# Altium PCB DeutschPCB.PcbDoc (part 2 of 2)
Units mil, origin at the board's own origin, x right, y up, seen from the top; angles counter-clockwise.
Board outline 3250 x 3998.62 mil, 2 copper layers (Top Layer, Bottom Layer), stack 61.8 mil thick; 308 components, 195 nets, 864 pads, 15 vias.
Unrouted connection lines stored in the file: 527.
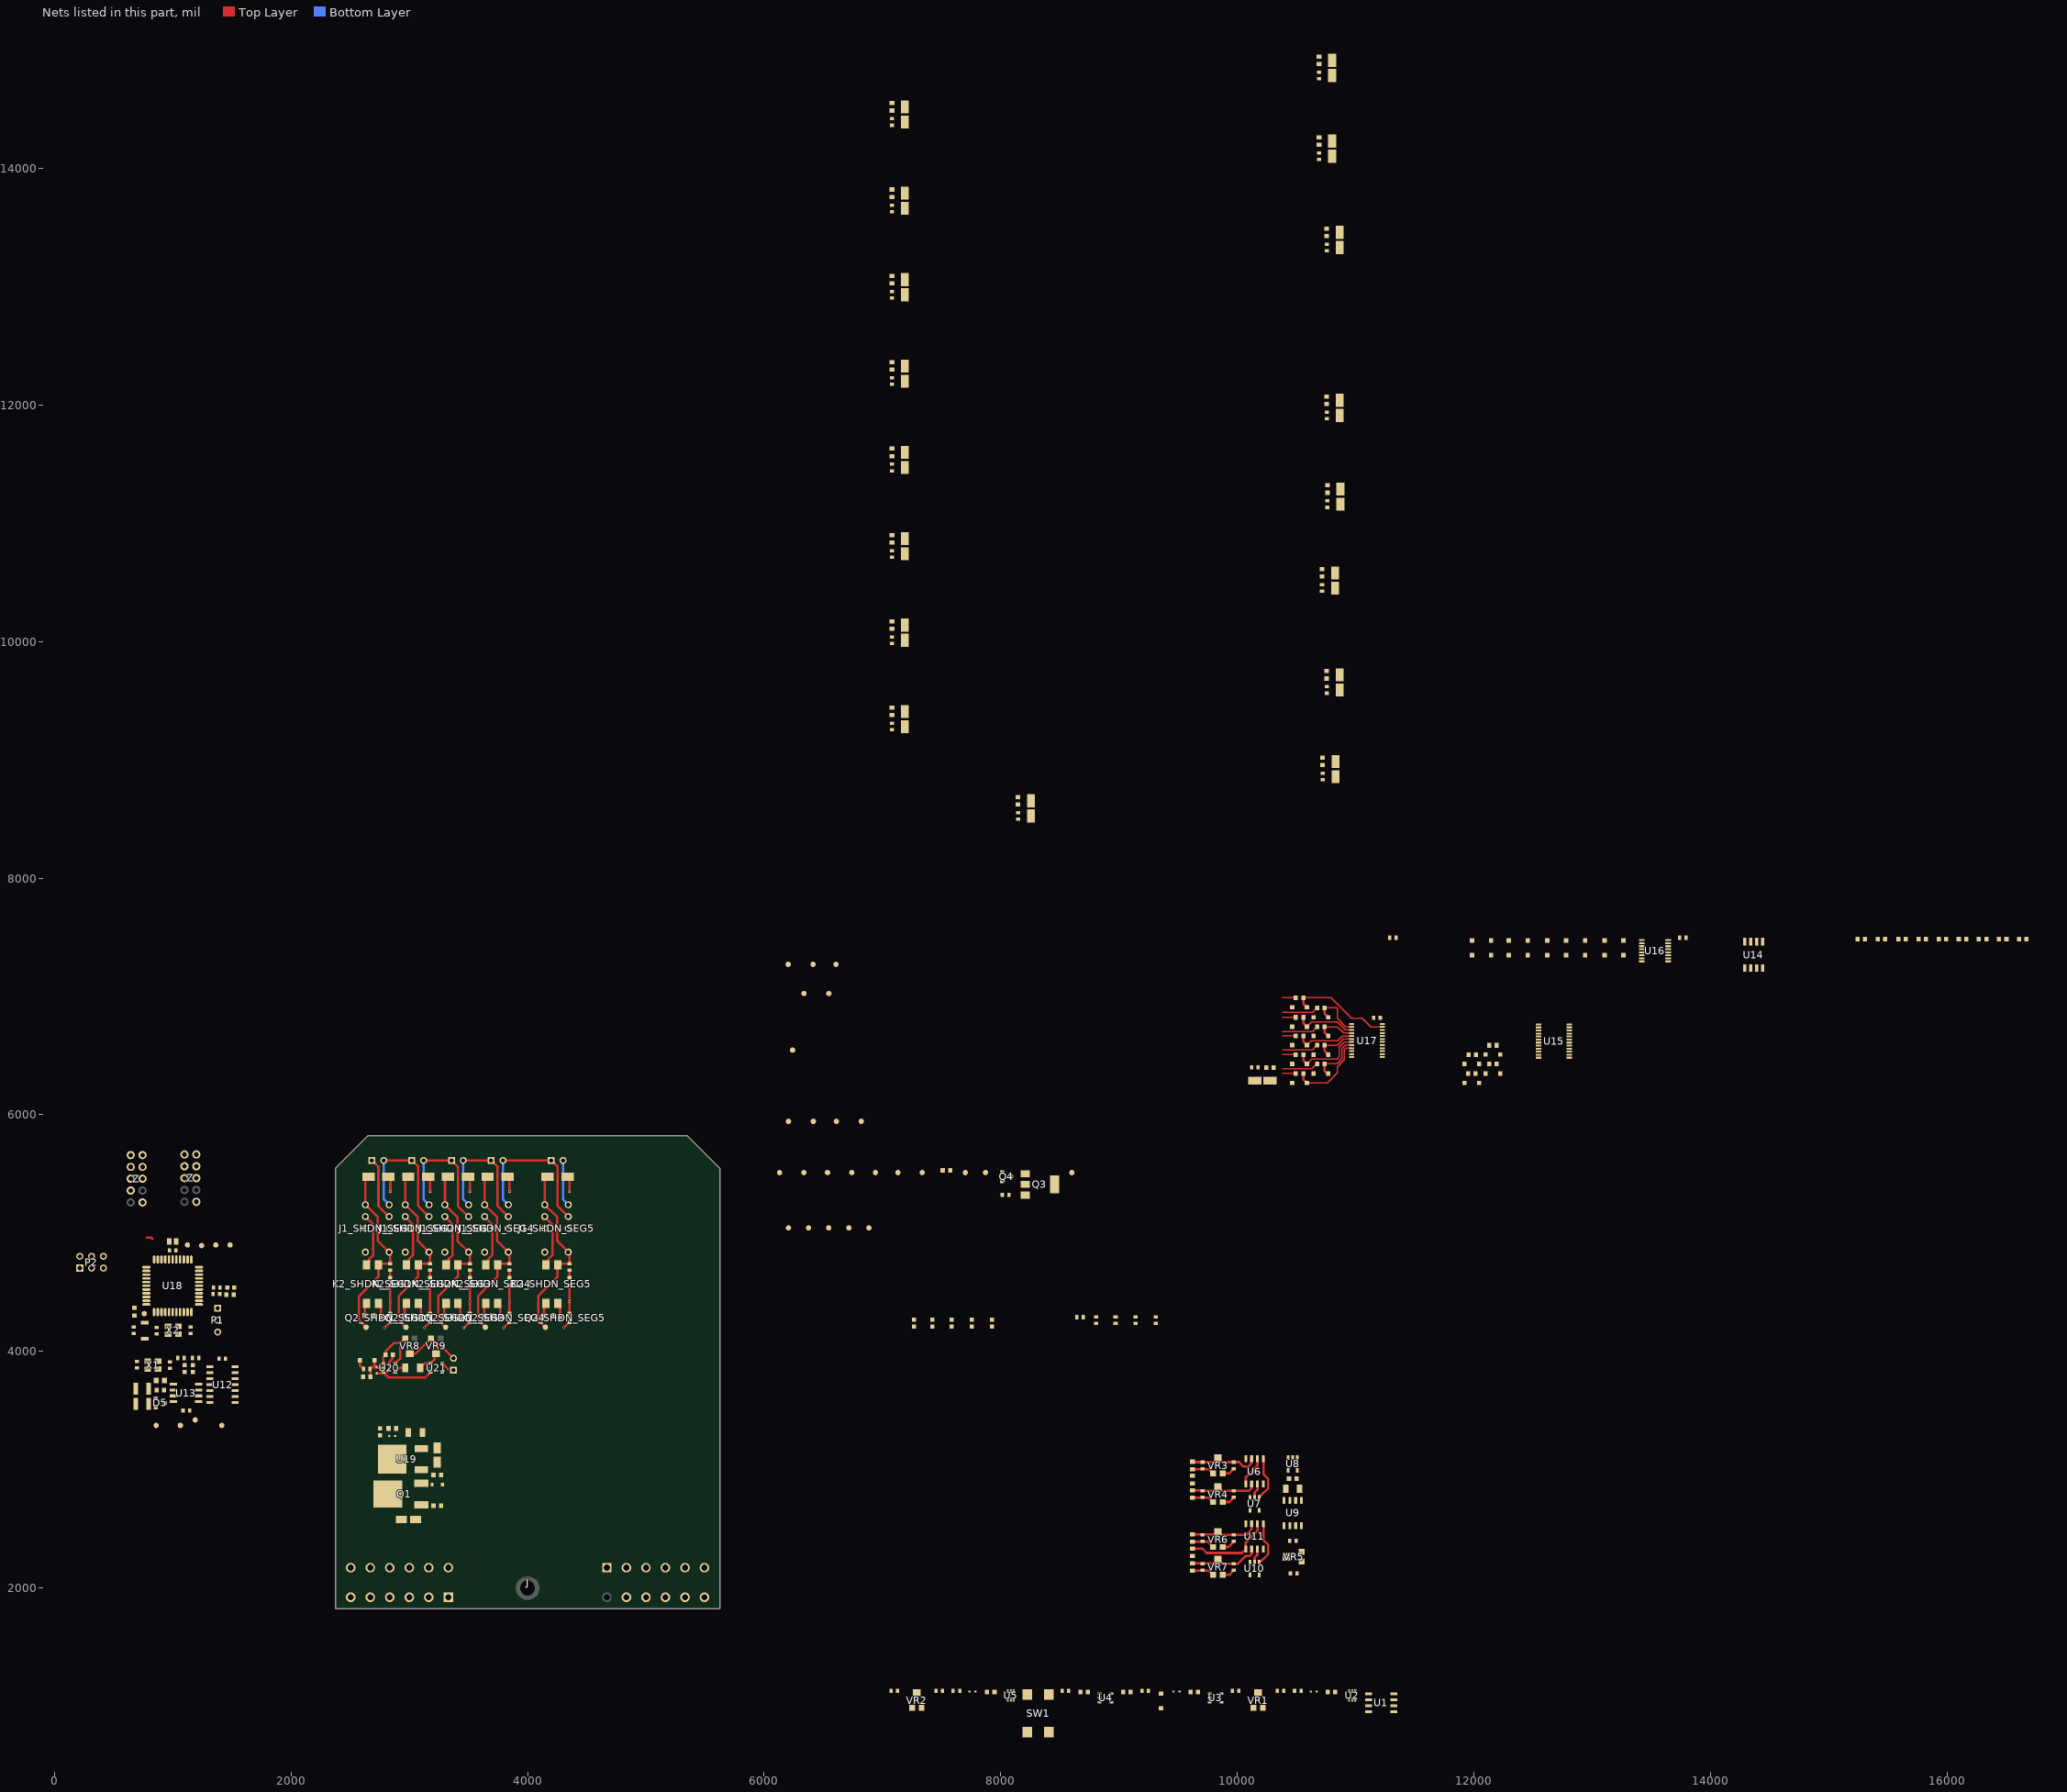
[diagram p2: the nets of this part, all layers, seen from the top]

## Part data
C1 C2 C3 C4 C5 C6 C8 C9 C10 C11 C13 C14 C17 C18 C19 C20 C21 C24 C27 C28_SHDN_INPUT_PROTECTION1 C28_SHDN_INPUT_PROTECTION2 C28_SHDN_INPUT_PROTECTION3 C28_SHDN_INPUT_PROTECTION4 C28_SHDN_INPUT_PROTECTION5 C28_SHDN_INPUT_PROTECTION6 C28_SHDN_INPUT_PROTECTION7 C28_SHDN_INPUT_PROTECTION8 C28_SHDN_INPUT_PROTECTION9 C28_SHDN_INPUT_PROTECTION10 C28_SHDN_INPUT_PROTECTION11 C28_SHDN_INPUT_PROTECTION12 C28_SHDN_INPUT_PROTECTION13 C28_SHDN_INPUT_PROTECTION14 C28_SHDN_INPUT_PROTECTION15 C28_SHDN_INPUT_PROTECTION16 C28_SHDN_INPUT_PROTECTION17 C28_SHDN_INPUT_PROTECTION18: library part CMP-1035-02591-1, "CAP 100nF 50V ±5% 0603 (1608 Metric) Thickness 1mm SMD", Case-EIA=0603, Case-Metric=1608, Rated Voltage="50 V", Tolerance=±5%, Max Thickness="1 mm", Technology=SMT
C7 C25 C26: library part CMP-1037-04982-1, "CAP 10uF 50V ±10% 1206 (3216 Metric) Thickness 1.9mm SMD", Case-EIA=1206, Case-Metric=3216, Rated Voltage="50 V", Tolerance=±10%, Max Thickness="1.9 mm", Technology=SMT
C12: library part CMP-1035-02202-1, "CAP 4.7nF 50V ±5% 0603 (1608 Metric) Thickness 1mm SMD", Case-EIA=0603, Case-Metric=1608, Rated Voltage="50 V", Tolerance=±5%, Max Thickness="1 mm", Technology=SMT
C15 C16 C22 C23: library part CMP-1035-00748-1, "CAP 18pF 50V ±1% 0603 (1608 Metric) Thickness 1mm SMD", Case-EIA=0603, Case-Metric=1608, Rated Voltage="50 V", Tolerance=±1%, Max Thickness="1 mm", Technology=SMT
D1 D3 D4 D33 D37: library part CMP-1063-00102-1, "Transient Voltage Suppressor, Micro-Packaged Diode for ESD Protection, 2-Pin SOD-523, Pb-Free, Tape and Reel", Manufacturer="On Semiconductor", ComponentLink1Description="Manufacturer URL", ComponentLink1URL=http://www.onsemi.com/, ComponentLink2Description=Datasheet, ComponentLink2URL=http://www.onsemi.cn/pub_link/Collateral/ESD5Z2.5T1-D.PDF, ComponentLink3Description="Package Specification", ComponentLink3URL=http://www.onsemi.com/pub_link/Collateral/502-01.PDF, DatasheetVersion="Rev. 10", Direction=Unidirectional, IR Max (uA)=0.05, Mounting Technology="Surface Mount", Number of Lines=1, PackageDescription="2-Pin SOD, Body 1.2 x 0.8 mm", PackageReference=SOD-523-2-502-01, PackageVersion="Rev. E, 09/2010", Packing="Tape and Reel", PartNumber=ESD5Z5.0T1G, PPK Max (W)=174, RoHS=Pb-Free, V(BR) Min (V)=6.2, VRWM Max (V)=5
D2 D6 D7 D8 D9 D10 D11 D12 D13 D14 D15 D16 D17 D18 D19 D20 D21 D22 D23 D24 D25 D26 D27 D36: library part CMP-2000-05976-1, "Surface Mount Zener Diode, 5.1 V, -65 to 150 degC, 2-Pin SMD (SOD-123), RoHS, Tape and Reel", Ir - Reverse Current=2uA, Manufacturer=DiodesIncorporated, Maximum Operating Temperature=+150C, Minimum Operating Temperature=-65C, Package / Case=SOD-123, Package Description="2-Pin Surface Mount Device, Body 2.7 x 1.55 mm", Package Reference=SOD123, Pd - Power Dissipation=500mW, Voltage Temperature Coefficient=-0.75mV/C, Voltage Tolerance=6%, Vz - Zener Voltage=5.1V, Zener Current=5mA, Brand=DiodesIncorporated, Configuration=Single, Datasheet URL=http://www.diodes.com/_files/datasheets/ds18004.pdf, Datasheet Version="Rev. 37-2, 09/2012", Factory Pack Quantity=3000, Height=1.35mm, Length=2.85mm, Manufacturer URL=http://www.diodes.com/, Mounting Style=SMD/SMT, Mounting Technology=SurfaceMount, Packaging=Reel, Product Category=ZenerDiodes, RoHS=True, Series=BZT52C5, Termination Style=SMD/SMT, Unit Weight=0.000353oz, Width=1.7mm, Zz - Zener Impedance=60Ohms
D5: library part CMP-1063-00164-1, "Dual Line CAN Bus Protector, 3-Pin SOT-23, Pb-Free, Tape and Reel", Manufacturer="On Semiconductor", C Max (pF)=30, ComponentLink1Description="Manufacturer URL", ComponentLink1URL=http://www.onsemi.com/, ComponentLink2Description=Datasheet, ComponentLink2URL=http://www.onsemi.cn/pub_link/Collateral/NUP2105L-D.PDF, ComponentLink3Description="Package Specification", ComponentLink3URL=http://www.onsemi.cn/pub_link/Collateral/318-08.PDF, DatasheetVersion="Rev. 5", Direction=Bidirectional, IR Max (uA)=0.1, Mounting Technology="Surface Mount", Number of Lines=2, PackageDescription="3-Pin Small Outline Transistor, Body 2.92 x 1.3 mm, Pitch 0.95 mm", PackageReference=SOT-23-3-318-08, PackageVersion="Rev. AP, 11/2009", Packing="Tape and Reel", PartNumber=NUP2105LT1G, PPK Max (W)=350, RoHS=Pb-Free, V(BR) Min (V)=26.2
D32: library part CMP-1060-00715-1, "Zener Voltage Regulator, 300 mW, 2-Pin SOD-323, Pb-Free, Tape and Reel", Manufacturer="On Semiconductor", ComponentLink1Description="Manufacturer URL", ComponentLink1URL=http://www.onsemi.com/, ComponentLink2Description=Datasheet, ComponentLink2URL=http://www.onsemi.cn/pub_link/Collateral/MM3Z2V4T1-D.PDF, ComponentLink3Description="Package Specification", ComponentLink3URL=http://www.onsemi.com/pub_link/Collateral/477-02.PDF.1, DatasheetVersion="Rev. 9", Mounting Technology="Surface Mount", PackageDescription="2-Pin SOD, Body 1.7 x 1.25 mm", PackageReference=SOD-323-2-477-02, PackageVersion="Rev. H, 03/2007", Packing="Tape and Reel", PartNumber=MM3Z10VT1G, P Max (W)=0.3, RoHS=Pb-Free, VZ Typ (V)=10
D34 D35 D39_SHDN_INPUT_PROTECTION1 D39_SHDN_INPUT_PROTECTION2 D39_SHDN_INPUT_PROTECTION3 D39_SHDN_INPUT_PROTECTION4 D39_SHDN_INPUT_PROTECTION5 D39_SHDN_INPUT_PROTECTION6 D39_SHDN_INPUT_PROTECTION7 D39_SHDN_INPUT_PROTECTION8 D39_SHDN_INPUT_PROTECTION9 D39_SHDN_INPUT_PROTECTION10 D39_SHDN_INPUT_PROTECTION11 D39_SHDN_INPUT_PROTECTION12 D39_SHDN_INPUT_PROTECTION13 D39_SHDN_INPUT_PROTECTION14 D39_SHDN_INPUT_PROTECTION15 D39_SHDN_INPUT_PROTECTION16 D39_SHDN_INPUT_PROTECTION17 D39_SHDN_INPUT_PROTECTION18: library part CMP-0548-00180-2, "Transient Voltage Suppressor, 6.40 to 231 V, 18 V Stand-off Voltage, Bi-Directional, -55 to 155 degC, 2-pin DO-214AC, Pb-Free, Tape and Reel", Manufacturer="Vishay Semiconductor", Operating Junction and Storage Temperature Range="-55 to 150 degC", ComponentLink1Description="Manufacturer URL", ComponentLink1URL=http://www.vishay.com/, ComponentLink2Description=Datasheet, ComponentLink2URL=http://www.vishay.com/docs/88390/smaj50a.pdf, ComponentLink3Description="Package Specification", ComponentLink3URL=http://www.vishay.com/docs/88390/smaj50a.pdf, DatasheetVersion=12/8/2013, ID (uA)=2, IFSM="40 A", Mounting Technology="Surface Mount", PackageDescription="2-Pin DO-214AC (SMA), Body 4.245 x 2.665 mm", PackageReference=DO-214AC-2, Packing="Tape and Reel", PartNumber=SMAJ18CA-E3/61, PPPM (W)="400, 300", RoHS=TRUE, VBR Bi-Directional (V)="6.4 to 231", VWM (V)=18
D38_SHDN_SEG1 D38_SHDN_SEG2 D38_SHDN_SEG3 D38_SHDN_SEG4 D38_SHDN_SEG5: library part CMP-2000-04942-2, "General Purpose Rectifier, 1 A, 1000 V, -55 to 150 degC, 2-Pin DO-214AC, RoHS, Tape and Reel", Alternate Case Style=DO-214AC, Current If @ Vf=1A, Current Ifsm=30A, Forward Voltage=1V, Junction Temperature Tj Max=150degC, Manufacturer=Fairchild, Operating Temperature Min=-55degC, Operating Temperature Range=-55degCto+150degC, Package / Case=SMA, Package Description="2-Pin Surface Mount Device, Body 4.375 x 2.725 mm", Package Reference=DO-214AC-2, Repetitive Reverse Voltage Vrrm Max=1kV, Datasheet URL=https://datasheet.ciiva.com/4452/s1m-191340-4452980.pdf, Datasheet Version="Rev. 1.1.2, 10/2013", Diode Case Style=DO-214AC, Diode Configuration=Single, Diode Polarity=Cathode, Diode Type=StandardRecovery, External Depth=2.79mm, External Length / Height=2.44mm, External Width=5.28mm, Forward Current If(AV)=1A, Forward Surge Current Ifsm Max=30A, Forward Voltage VF Max=1V, Manufacturer URL=https://www.fairchildsemi.com/, No. of Pins=2, Operating Temperature Max=150degC, Package URL=https://www.fairchildsemi.com/package-drawings/DO/DO214AC.pdf, Reel Quantity=7500, Reverse Recovery Time trr Max=1.8µs, Reverse Recovery Time trr Typ=1.8µs, SMD Marking=1M, SVHC=NoSVHC(19-Dec-2012), Tape Width=12mm, Termination Type=SMD
DS1 DS2 DS3 DS4 DS5: library part "LED RED 0603"
DS6 DS7: library part "LED BLUE 0603"
DS8 DS9 DS11_SHDN_SEG1 DS11_SHDN_SEG2 DS11_SHDN_SEG3 DS11_SHDN_SEG4 DS11_SHDN_SEG5: library part "LED ORANGE 0603"
DS10: library part "LED GREEN 0603"
J: "24 way sealed A and B key PCB header with .165 inch/4.2 millimeter centerline pitch.", Package=None, Digi-Key_Part_Number=1734-1131-ND, Digi-Key_Purchase_URL=https://www.digikey.com/product-detail/en/te-connectivity-deutsch-connectors/DTM13-12PA-12PB-R008/1734-1131-ND/6566695?utm_source=snapeda&utm_medium=aggregator&utm_campaign=symbol, MF="TE Connectivity", MP=DTM13-12PA-12PB-R008, SnapEDA_Link=https://www.snapeda.com/parts/DTM13-12PA-12PB-R008/TE%20Connectivity%20Deutsch%20Connectors/view-part/490507/?ref=snap, TE_purchase_URL=https://www.te.com/usa-en/product-DTM1312PA12PBR008.html?te_bu=Cor&te_type=disp&te_campaign=seda_glo_cor-seda-global-disp-prtnr-fy19-seda-model-bom-cta_sma-317_1&elqCampaignId=32493
J1_SHDN_SEG1 J1_SHDN_SEG2 J1_SHDN_SEG3 J1_SHDN_SEG4 J1_SHDN_SEG5: "Telecom Non Latching 12VDC DPDT 2A Through Hole Relays RoHS", ComponentLink1Description=LCSC, ComponentLink1URL=https://lcsc.com/product-detail/Relays_OMRON_G6S-2-12V_G6S-2-12V_C28410.html
K2_SHDN_SEG1 K2_SHDN_SEG2 K2_SHDN_SEG3 K2_SHDN_SEG4 K2_SHDN_SEG5: library part CMP-1346-00006-1, "PhotoMOS GE 1 Form A, 60 V Load Voltage, 0.55 A Continuous Load Current, -40 to 85 degC, 4-Pin DIP(SMT), Tube, RoHS", Continuous Load Current="0.55 A", Load Voltage="60 V", Manufacturer=Panasonic, On Resistance (Typ)="0.85 Ohm", ComponentLink1Description="Manufacturer URL", ComponentLink1URL=http://www3.panasonic.biz/ac/ae/index.jsp, ComponentLink2Description=Datasheet, ComponentLink2URL=http://www3.panasonic.biz/ac/e_download/control/relay/photomos/catalog/semi_eng_ge1a_aqy21_e.pdf, ComponentLink3Description="Package Specification", ComponentLink3URL=http://www3.panasonic.biz/ac/e_download/control/relay/photomos/catalog/semi_eng_dimensions.pdf?f_cd=401560, DatasheetVersion=201404-T, Mounting Technology="Surface Mount", PackageDescription="4-Pin Surface Mount Terminal Package, Body 4.78 x 6.4 mm, Pitch 2.54mm", PackageReference=DIP4(SMT), PackageVersion="ASCTB67E, 04/2014", Packing=Tube, PartNumber=AQY212EHA, Pb-Free=True, RoHS=True, Series="PhotoMOS GE 1 Form A"
L1: library part CMP-2000-06587-1, "Fixed Inductor, 10 uH, +/-20%, -55 to 125 degC, 2-Pin SMD (0805), RoHS, Tape and Reel", Case Size/Dimension=0805, DC Resistance=0.6, Inductance-Nom=10H, Manufacturer=Murata, Package Description="2-Pin Surface Mount Device, Body 2 x 1.25 mm", Package Reference=IND0805, Rated Current-Max=100mA, Tolerance (%)=20%, Datasheet URL=http://psearch.en.murata.com/inductor/product/LQM21FN100M70%23.pdf, Datasheet Version=05/2016, Manufacturer URL=http://www.murata.com/, Mounting Technology=SurfaceMount
P1: "Header, 3-Pin", LatestRevisionDate=17-Jul-2002, LatestRevisionNote="Re-released for DXP Platform.", Publisher="Altium Limited"
P2: "Header, 3-Pin, Dual row", LatestRevisionDate=17-Jul-2002, LatestRevisionNote="Re-released for DXP Platform.", Publisher="Altium Limited"
P3 P4_SHDN_SEG1 P4_SHDN_SEG2 P4_SHDN_SEG3 P4_SHDN_SEG4 P4_SHDN_SEG5: "Header, 2-Pin", LatestRevisionDate=17-Jul-2002, LatestRevisionNote="Re-released for DXP Platform.", Publisher="Altium Limited"
Q1: library part CMP-1058-00390-1, "Power MOSFET, -60 V, -12 A, P-Channel, 3-Pin DPAK, Pb-Free, Tape and Reel", Manufacturer="On Semiconductor", Package Type="DPAK-3, IPAK-4", PartNumber=NTD2955T4G, Channel Polarity="P Channel", Ciss Typ (pF)=500, ComponentLink1Description="Manufacturer URL", ComponentLink1URL=http://www.onsemi.com/, ComponentLink2Description=Datasheet, ComponentLink2URL=http://www.onsemi.cn/pub_link/Collateral/NTD2955-D.PDF, ComponentLink3Description="Package Specification", ComponentLink3URL=http://www.onsemi.cn/pub_link/Collateral/369C.PDF, Configuration=Single, Coss Typ (pF)=150, Crss Typ (pF)=50, DatasheetVersion="Rev. 13", ID Max (A)=12, Mounting Technology="Surface Mount", PackageDescription="3-Pin Flange Mount, Body 6.54 x 6.095 mm, Pitch 2.29 mm", PackageReference=DPAK-3-369C-01, PackageVersion="Rev. E, 02/2014", Packing="Tape and Reel", PD Max (W)=55, Qrr Typ (nC)=100, RoHS=Pb-Free, V(BR)DSS Min (V)=60, VGS(th) Max (V)=4, VGS Max (V)=20
Q2_SHDN_SEG1 Q2_SHDN_SEG2 Q2_SHDN_SEG3 Q2_SHDN_SEG4 Q2_SHDN_SEG5 Q4: library part CMP-1058-00774-1, "Power MOSFET, 60 V, 155 mOhm, Single N-Channel Logic Level, 3-Pin SOT-23, Pb-Free, Tape and Reel", Manufacturer="On Semiconductor", Package Type=SOT-23-3, Channel Polarity="N Channel", Ciss Typ (pF)=182, ComponentLink1Description="Manufacturer URL", ComponentLink1URL=http://www.onsemi.com/, ComponentLink2Description=Datasheet, ComponentLink2URL=http://www.onsemi.com/pub_link/Collateral/NVR5198NL-D.PDF, ComponentLink3Description="Package Specification", ComponentLink3URL=http://www.onsemi.cn/pub_link/Collateral/318-08.PDF, Configuration=Single, Coss Typ (pF)=25, Crss Typ (pF)=16, DatasheetVersion="Rev. 1", ID Max (A)=2.2, Mounting Technology="Surface Mount", PackageDescription="3-Pin Small Outline Transistor, Body 2.92 x 1.3 mm, Pitch 0.95 mm", PackageReference=SOT-23-3-318-08, PackageVersion="Rev. AP, 11/2009", Packing="Tape and Reel", PartNumber=NVR5198NLT1G, Qrr Typ (nC)=6, RoHS=Pb-Free, V(BR)DSS Min (V)=60, VGS(th) Max (V)=2.5, VGS Max (V)=20
Q3: library part CMP-1058-00728-1, "Power MOSFET, -60 V, -2.6 A, Single P-Channel, 4-Pin SOT-223, Pb-Free, Tape and Reel", Manufacturer="On Semiconductor", Package Type="SOT-223-4 / TO-261-4", Channel Polarity="P Channel", Ciss Typ (pF)=492, ComponentLink1Description="Manufacturer URL", ComponentLink1URL=http://www.onsemi.com/, ComponentLink2Description=Datasheet, ComponentLink2URL=http://www.onsemi.com/pub_link/Collateral/NTF2955-D.PDF, ComponentLink3Description="Package Specification", ComponentLink3URL=http://www.onsemi.com/pub_link/Collateral/318E-04.PDF, Configuration=Single, Coss Typ (pF)=165, Crss Typ (pF)=50, DatasheetVersion="Rev. 6", ID Max (A)=2.6, Mounting Technology="Surface Mount", PackageDescription="4-Pin Small Outline Transistor, Body 6.5 x 3.5 mm, Pitch 2.3 mm", PackageReference=SOT-223-4-318E-04, PackageVersion="Rev. N, 08/2009", Packing="Tape and Reel", PartNumber=NTF2955T1G, Qrr Typ (nC)=0.139, RoHS=Pb-Free, V(BR)DSS Min (V)=60, VGS(th) Max (V)=4, VGS Max (V)=20
R1 R5 R6 R7 R54 R64 R67_SHDN_INPUT_PROTECTION1 R67_SHDN_INPUT_PROTECTION2 R67_SHDN_INPUT_PROTECTION3 R67_SHDN_INPUT_PROTECTION4 R67_SHDN_INPUT_PROTECTION5 R67_SHDN_INPUT_PROTECTION6 R67_SHDN_INPUT_PROTECTION7 R67_SHDN_INPUT_PROTECTION8 R67_SHDN_INPUT_PROTECTION9 R67_SHDN_INPUT_PROTECTION10 R67_SHDN_INPUT_PROTECTION11 R67_SHDN_INPUT_PROTECTION12 R67_SHDN_INPUT_PROTECTION13 R67_SHDN_INPUT_PROTECTION14 R67_SHDN_INPUT_PROTECTION15 R67_SHDN_INPUT_PROTECTION16 R67_SHDN_INPUT_PROTECTION17 R67_SHDN_INPUT_PROTECTION18: library part CMP-1012-00090-1, "4K7 0.1W 5% 0603 (1608 Metric)  SMD", Case-EIA=0603, Case-Metric=1608, Power="0.1 W", Tolerance="5 %", Technology=SMT
R2 R3 R8 R9 R10 R11 R14 R15 R16 R17 R18 R19 R20 R26: library part CMP-1591-00001-1, "0603 (1608 Metric) Chip Resistor", Case-EIA=0603, Case-Metric=1608, PackageReference=RESC0603(1608)
R4 R32 R33 R34 R35 R36 R37 R38 R39 R40 R41 R42 R43 R44 R45 R46 R47 R48 R49 R50 R51 R52 R53 R58 R63: library part CMP-1012-00098-1, "10K 0.1W 5% 0603 (1608 Metric)  SMD", Case-EIA=0603, Case-Metric=1608, Power="0.1 W", Tolerance="5 %", Technology=SMT
R12 R21 R22 R23 R24 R25 R30 R31 R59 R60 R61 R66_SHDN_SEG1 R66_SHDN_SEG2 R66_SHDN_SEG3 R66_SHDN_SEG4 R66_SHDN_SEG5: library part CMP-1012-00074-1, "1K 0.1W 5% 0603 (1608 Metric)  SMD", Case-EIA=0603, Case-Metric=1608, Power="0.1 W", Tolerance="5 %", Technology=SMT
R13: library part CMP-1012-00118-1, "68K 0.1W 5% 0603 (1608 Metric)  SMD", Case-EIA=0603, Case-Metric=1608, Power="0.1 W", Tolerance="5 %", Technology=SMT
R27 R29: library part CMP-1015-00372-1, "60R4 0.5W 1% 1210 (3225 Metric)  SMD", Case-EIA=1210, Case-Metric=3225, Power="0.5 W", Tolerance="1 %", Technology=SMT
R28: library part CMP-1012-00061-1, "300R 0.1W 5% 0603 (1608 Metric)  SMD", Case-EIA=0603, Case-Metric=1608, Power="0.1 W", Tolerance="5 %", Technology=SMT
R62: library part CMP-1012-00122-1, "100K 0.1W 5% 0603 (1608 Metric)  SMD", Case-EIA=0603, Case-Metric=1608, Power="0.1 W", Tolerance="5 %", Technology=SMT
R65_SHDN_SEG1 R65_SHDN_SEG2 R65_SHDN_SEG3 R65_SHDN_SEG4 R65_SHDN_SEG5: library part CMP-1012-00084-1, "2K7 0.1W 5% 0603 (1608 Metric)  SMD", Case-EIA=0603, Case-Metric=1608, Power="0.1 W", Tolerance="5 %", Technology=SMT
SW1: "Cost common SMD button, 4 Lead", ComponentLink1Description=LCSC, ComponentLink1URL=https://lcsc.com/product-detail/Tactile-Switches_BRIGHT-TSA063G50-250_C294565.html
SW2: library part CMP-2100-03586-1, "Ultra-Small Tactile Switch, 0.05 A, 12 V, -25 to 70 degC, 2-Pin SMD, RoHS, Tape and Reel", Case/Package=SMD/SMT, Contact Current Rating=50mA, Insulation Resistance=100MOhm, Manufacturer="Omron Electronic Components", Max Operating Temperature=70degC, Min Operating Temperature=-25degC, Operating Force=1.5N, Package Description="2-Pin Surface Mount Device, Body 3 x 2.5 mm", Package Quantity=1, Package Reference=B3U-1000, Voltage Rating (DC)=12V, Actuator Length=0.4mm, Contact Material=Silver, Current Rating=50mA, Datasheet URL=http://www.omron.com/ecb/products/pdf/en-b3u.pdf, Datasheet Version=42005.0, Depth=2.5mm, Electrical Life=200000Cycles, Height=1.2mm, Illumination Type=Illuminated, Lead Free=LeadFree, Length=4mm, Manufacturer URL=http://www.omron.com/, Max Current Rating=50mA, Mount=SurfaceMount, Orientation=Straight, Packaging=TapeandReel, REACH SVHC=Unknown, RoHSCompliant=true, Switch Travel=0.15mm, Termination=SMD/SMT, Throw Configuration=SPST, Weight=0.022g, Width=3mm
U1 U6 U9 U11 U14: library part CMP-0055-00796-3, "Low Power Dual Operational Amplifier, 8-pin Narrow SOIC", Manufacturer="Texas Instruments", Package Reference=D0008A, PackageTopMarking=NSZXTT*LM*358AM, PowerWise=N, Code_IPC=SOIC127P600-8, Code_JEDEC=MS-012-AA, ComponentLink1Description="Datasheet URL", ComponentLink1URL=http://www.ti.com/general/docs/lit/getliterature.tsp?genericPartNumber=LM358-N&fileType=pdf, CompType=Amplifiers, PackageDescription="SOIC Narrow, 4.9 x 3.9 x 1.45mm, 8 Lead, 1.27mm Pitch", PinCount=8, RoHS=N
U2 U5: library part CMP-2000-06819-1, "Tinylogic(R) UHS 2-Input Non-Inverting Multiplexer, 1.65 to 5.5 V, -40 to 85 degC, 6-Pin SOT23 (SC70), RoHS, Tape and Reel", Manufacturer=FairchildSemiconductor, Maximum High Level Output Current=-32mA, Maximum Low Level Output Current=32mA, Maximum Operating Supply Voltage=5.5V, Minimum Operating Supply Voltage=1.65V, Package=6SC-70, Package Description="6-Pin Small Outline Transistor, Body 2 x 1.25 mm, Pitch 0.65 mm", Package Reference=SC70-6, Tolerant I/Os=5.5InputsV, Category=Multiplexer, Configuration=1x2:1, Datasheet URL=https://www.fairchildsemi.com/datasheets/NC/NC7SZ157.pdf, Datasheet Version=09/2009, Logic Family=TinyLogicUHS, Logic Function=Multiplexer, Manufacturer URL=https://www.fairchildsemi.com/, Maximum Propagation Delay Time @ Maximum CL=4.6@3.3V, Mounting Technology=SurfaceMount, Number of Inputs per Chip=2, Package URL=https://www.fairchildsemi.com/package-drawings/MA/MAA06A.pdf, Packaging=Tape&Reel, Rad Hard=No
U3: library part CMP-0859-00033-4, "Single Schmitt-Trigger Buffer, DBV0005A, LARGE T&R", F @ Nom Voltage(Max)(Mhz)=150, Generic Part Number=SN74LVC1G17, ICC @ Nom Voltage(Max)(mA)=0.01, Manufacturer="Texas Instruments", Operating Temperature Range(C)="-40 to 125,-40 to 85", Rating=Catalog, tpd @ Nom Voltage(Max)(ns)=11,6.5,5.5,5, Voltage(Nom)(V)=1.8,2.5,3.3,5, 3-State Output=No, Bits(#)=1, DatasheetVersion=SCES351V, Input Type=CMOS/TTL, Logic=True, Output Drive (IOL/IOH)(Max)(mA)=32/-32, Output Type=CMOS, PackageReference=DBV0005A, Schmitt Trigger=Yes, Sub-Family="Non-Inverting Buffer/Driver", Technology Family=LVC, VCC(Max)(V)=5.5, VCC(Min)(V)=1.65
U4: library part CMP-2000-07131-1, "Single Schmitt-Trigger Inverter Gate, 10.6 ns max, 2 to 5.5 V, -40 to 125 degC, 5-Pin SOT23 (DBV), Green (RoHS & no Sb/Br), Tape and Reel", Logic Case Style=SOT-23, Manufacturer="Texas Instruments", Operating Temperature Max=85°C, Operating Temperature Min=-40°C, Operating Temperature Range=-40°Cto+85°C, Output Current=8mA, Package Description="5-Pin Small Outline Transistor, Body 2.9 x 1.6 mm, Pitch 0.95 mm", Package Reference=DBV0005A, Supply Voltage=5.5V, Supply Voltage Min=2V, Supply Voltage Range=2Vto5.5V, Base Number=74, Datasheet URL=http://www.ti.com/lit/ds/symlink/sn74ahc1g14.pdf, Datasheet Version="Rev. Q, 09/2015", IC Generic Number=74AHC1G14, Logic Function Number=741G14, Logic IC Base Number=74114, Logic IC Family=AHC, Logic IC Function=SingleInverterwithSchmittTrigger, Logic Type=Inverter, Manufacturer URL=http://www.ti.com/, Mounting Technology=SurfaceMount, No. of Gates=1, No. of Inputs=1, No. of Pins=5, Output Current Max=8mA, Package / Case=SOT-23, Package URL=http://www.ti.com/lit/ml/mpds018l/mpds018l.pdf, Supply Voltage Max=5.5V, SVHC=NoSVHC(19-Dec-2012), Termination Type=SMD
U7 U8 U10: library part CMP-0859-00043-3, "Single 2-Input Positive-AND Gate, DBV0005A, LARGE T&R", F @ Nom Voltage(Max)(Mhz)=75, Generic Part Number=SN74AHC1G08, ICC @ Nom Voltage(Max)(mA)=0.01, Manufacturer="Texas Instruments", Operating Temperature Range(C)="-55 to 125", Rating=Catalog, tpd @ Nom Voltage(Max)(ns)=12.3,7.9, Voltage(Nom)(V)=3.3,5, 3-State Output=No, Bits(#)=1, DatasheetVersion=SCLS314N, Gate Type=AND, Input Type=CMOS, Logic=True, Output Drive (IOL/IOH)(Max)(mA)=50/-50, Output Type=CMOS, PackageReference=DBV0005A, Schmitt Trigger=No, Sub-Family="AND Gate", Technology Family=AHC, VCC(Max)(V)=5.5, VCC(Min)(V)=2
U16: library part CMP-0780-00192-3, "8-Bit Shift Registers With 3-State Output Registers, PW0016A, LARGE T&R", F @ Nom Voltage(Max)(Mhz)=28, Generic Part Number=SN74HC595, ICC @ Nom Voltage(Max)(mA)=0.08, Manufacturer="Texas Instruments", Operating Temperature Range(C)="-40 to 85", Rating=Military, tpd @ Nom Voltage(Max)(ns)=34, Voltage(Nom)(V)=6, 3-State Output=Yes, Bits=8, Code_JEDEC=MO-153, DatasheetVersion=SCLS041H, Input Type=CMOS, Output Drive (IOL/IOH)(Max)(mA)=7.8/-7.8, Output Type=CMOS, PackageReference=PW0016A, PackageVersion=http://www.ti.com/lit/ml/mpds361/mpds361.pdf, Technology Family=HC, VCC(Max)(V)=6, VCC(Min)(V)=2
U18: library part CMP-0095-00577-1, "8-bit AVR Microcontroller, 128KB Flash, 4KB EEPROM, 16KB SRAM, 44-pin TQFP, Industrial Grade (-40°C to 85°C)", Code_JEDEC=MS-026-ACB, ComponentLink1Description="Manufacturer URL", ComponentLink1URL=http://www.atmel.com/, ComponentLink2Description="ATmega164A/164PA/324A/324PA/644A/644PA/1284/1284P Datasheet", ComponentLink2URL=http://www.atmel.com/dyn/resources/prod_documents/doc8272.pdf, ComponentLink3Description="ATmega164A/164PA/324A/324PA/644A/644PA/1284/1284P Summary", ComponentLink3URL=http://www.atmel.com/dyn/resources/prod_documents/8272S.pdf, DatasheetVersion="revC, Jun-2011", PackageDescription="44-Pin Plastic Thin Profile Quad Flat Pack, 10 x 10 x 1.0 mm Body, 0.8 mm Pitch (TQFP)", PackageReference=44A, PackageVersion="revC, Oct-2010"
U19: library part CMP-2000-06530-1, "Precision Regulator, 0.5 A, 5 V Output, 0 to 150 degC, 3-Pin DPAK (TO252), RoHS, Tube", Input Voltage Max=35V, Input Voltage Min=10V, Linear Regulator Case Style=TO-252, Manufacturer=STMicroelectronics, Operating Temperature Max=150°C, Operating Temperature Min=0°C, Output Current=500mA, Output Voltage Nom.=5V, Package Description="3-Pin Transistor Outline, Body 6.5 x 6.1 mm, Pitch 2.28 mm", Package Reference=TO252, Datasheet URL=http://www.st.com/content/ccc/resource/technical/document/datasheet/d7/5f/dc/5c/d5/b6/48/7c/CD00000447.pdf/files/CD00000447.pdf/jcr:content/translations/en.CD00000447.pdf, Datasheet Version="Rev. 20, 06/2014", Manufacturer URL=http://www.st.com/, Mounting Technology=SurfaceMount, No. of Pins=3Pins, Packaging=Each, SVHC=NoSVHC(17-Dec-2015)
U20 U21: library part CMP-0859-00024-3, "Single 2-Input Positive-NOR Gate, DBV0005A, LARGE T&R", F @ Nom Voltage(Max)(Mhz)=75, Generic Part Number=SN74AHC1G02, ICC @ Nom Voltage(Max)(mA)=0.01, Manufacturer="Texas Instruments", Operating Temperature Range(C)="-40 to 125,-40 to 85", Rating=Catalog, tpd @ Nom Voltage(Max)(ns)=11.4,7.5, Voltage(Nom)(V)=3.3,5, 3-State Output=No, Bits(#)=1, DatasheetVersion=SCLS342M, Gate Type=NOR, Input Type=CMOS, Logic=True, Output Drive (IOL/IOH)(Max)(mA)=50/-50, Output Type=CMOS, PackageReference=DBV0005A, Schmitt Trigger=No, Sub-Family="NAND Gate", Technology Family=AHC, VCC(Max)(V)=5.5, VCC(Min)(V)=2
VR1 VR2 VR3 VR4 VR5 VR6 VR7 VR9: "4k7 ±25% ±250 ppm/°C SMD Variable Resistors RoHS", ComponentLink1Description=LCSC, ComponentLink1URL=https://lcsc.com/product-detail/Variable-Resistors_HDK-Hokuriku-Elec-Industry-VG039NCHXTB472_C128555.html
VR8: "500K ±25% ±250 ppm/°C SMD Variable Resistors RoHS", ComponentLink1Description=LCSC, ComponentLink1URL=https://lcsc.com/product-detail/Variable-Resistors_HDK-Hokuriku-Elec-Industry-VG039NCHXTB504_C128558.html
Z Z: library part LogicAnalyer
  Z: ComponentLink1Description=LCSC, ComponentLink1URL=https://lcsc.com/product-detail/IDC-Connectors_BOOMELE-Boom-Precision-Elec-C5665_C5665.html
X1: ComponentLink1Description=LCSC, ComponentLink1URL=https://lcsc.com/product-detail/SMD-Crystal-Resonators_Yangxing-Tech-X322520MSB4SI_C9004.html
X2: ComponentLink1Description=LCSC, ComponentLink1URL=https://lcsc.com/product-detail/SMD-Crystal-Resonators_Yangxing-Tech-X322516MOB4SI_C12668.html

## Via types
v1: diameter 21.65, hole 13.78, Top Layer to Bottom Layer, 10 vias
v2: diameter 21.65, hole 13.78, Top Layer to Bottom Layer, tented both sides, 5 vias

## Nets (pads, with @x,y where several pads share a name; then routed paths per layer and width w, separated by ;. In a path a pad name is that pad's centre, name@x,y a point inside that pad or via, vN(x,y) a via of type N, cw(c..) or ccw(c..) an arc to the next point about the centre after c; other vN are vias at no path point)
+5: C13.2 C14.2 C17.1 C18.2 C19.1 C25.2 D33.1 L1.2 P2.2 P3.1 R2.2 R5.2 R8.2 R10.2 R14.2 R16.2 R18.2 R20.2 R21.2 R22.2 R23.2 R24.2 R30.2 R31.2 R58.2 R61.2 R64.2 R65_SHDN_SEG1.1 R65_SHDN_SEG2.1 R65_SHDN_SEG3.1 R65_SHDN_SEG4.1 R65_SHDN_SEG5.1 TP29.1 U1.8 U2.5 U3.5 U4.5 U5.5 U6.8 U7.5 U8.5 U9.8 U10.5 U11.8 U12.14 U13.3 U14.8 U15.24 U16.16 U17.24 U18.5 U18.17 U18.38 U19.3 U20.1 U20.5 U21.5 VR1.1 VR2.1 VR3.1 VR4.1 VR5.1 VR6.1 VR7.1 VR8.1 | length 1091.5
  Top Layer w20: 781.64,4962.06 819.04,4962.06 829.45,4951.65 ; U20.1@2780.24,3899.05 2780.24,3951.97 2797.95,3969.68 R64.2@2797.95,3971.65 2803.91,3977.61 2803.91,4005.52 2868.03,4069.65 2922.44,4069.65 ; U20.5@2880.63,3899.05 2885.55,3899.05 2886.38,3899.88 2886.38,3904.8 2922.44,3940.87 2922.44,4069.65 ; VR8.1@2964.45,4111.65 2922.44,4069.65 ; U21.5@3279.65,3899.05 3284.57,3899.05 3285.39,3898.23 3285.39,3893.31 3326.64,3852.06 ; VR7.1@9875,2112.28 9930.06,2112.28 9962.28,2144.51 9962.28,2148.44 9966.06,2152.22 R20.2@9970,2152.22 ; VR6.1@9875,2347.28 9922.56,2347.28 9962.28,2387.01 9962.28,2390.94 9966.06,2394.72 R18.2@9970,2394.72 ; VR4.1@9875,2727.28 9930.06,2727.28 9962.28,2759.51 9962.28,2763.44 9966.06,2767.22 R14.2@9970,2767.22 ; VR3.1@9875,2969.78 9930.06,2969.78 9962.28,3002.01 9962.28,3005.94 9966.06,3009.72 R10.2@9970,3009.72
+12: C24.2 D32.1 D35.2 Q1.3 Q3.2 Q3.4 R12.2 TP28.1 U19.1
BKR_PRS_ADJ_HIGH: C5.1 R10.1 R11.2 TP6.1 U6.3 VR3.2 | length 598.6
  Top Layer w20: C5.1@9620,3068.78 9623.94,3064.84 R11.2@9705,3064.84 9800.06,3064.84 9812.5,3077.28 9812.5,3079.78 9832.5,3099.78 VR3.2@9835,3099.78 9837.5,3099.78 9857.5,3079.78 9857.5,3077.28 9869.94,3064.84 R10.1@9970,3064.84 10015,3064.84 10052.56,3027.28 10090,3027.28 10118.19,3055.47 10118.19,3092.6 U6.3@10120,3094.41
BKR_PRS_ADJ_LOW: C8.1 R14.1 R15.2 TP9.1 U6.6 VR4.2 | length 579.3
  Top Layer w20: C8.1@9620,2826.28 9697.13,2826.28 9701.06,2822.34 R15.2@9705,2822.34 9800.06,2822.34 9812.5,2834.78 9812.5,2837.28 9832.5,2857.28 VR4.2@9835,2857.28 9837.5,2857.28 9857.5,2837.28 9857.5,2834.78 9869.94,2822.34 R14.1@9970,2822.34 10100.06,2822.34 10118.19,2840.47 10118.19,2878.04 U6.6@10120,2879.85
BPSD_DELAY: C7.2 R13.2 TP8.1 U9.3
BPSD_DELAY_RESISTOR: R13.1 R25.2 U8.4
BPSD_DELAY_RESISTOR_INDICATOR: DS5.1 R25.1
BPSD_OP_UNUSED: U9.6 U9.7
BPSD_VREF: R16.1 R17.2 TP11.1 U9.2 VR5.2
BRK_PRS_IN: C6.1 R42.1 U2.4 U6.2 U6.5 | length 256
  Top Layer w20: U6.5@10070,2879.85 10070,2937.28 10170,3037.28 U6.2@10170,3094.41
BRK_PRS_IN_BUFFERED: TP1.1 U1.1 U1.2 U2.3
BRK_PRS_IN_RAW: C1.1 D1.1 J.A11 R1.2 U1.3
BRK_PRS_OP: U7.4 U8.1
BRK_PRS_OP_HIGH: DS1.2 TP.1@6240,6547.28 U6.1 U7.1 | length 381.3
  Top Layer w20: U7.1@10182.5,2766.42 10182.5,2774.29 10184.31,2776.1 10192.19,2776.1 10260,2843.92 10260,2922.28 10220,2962.28 U6.1@10220,3094.41
BRK_PRS_OP_HIGH_INDICATOR: DS1.1 R21.1
BRK_PRS_OP_LOW: DS2.2 TP10.1 U6.7 U7.2 | length 123.7
  Top Layer w20: U7.2@10145.1,2766.42 10145.1,2807.38 10170,2832.28 U6.7@10170,2879.85
BRK_PRS_OP_LOW_INDICATOR: DS2.1 R22.1
BRK_PRS_SIM: R2.1 R3.2 TP2.1 U2.1 VR1.2
CAN_CS: U12.13 U18.43 Z.4@745,5560
CAN_CTRL_CLKO: U12.3
CAN_INT: U12.4 U18.40 Z.5@645,5460
CAN_INT0: U12.9 U18.42 Z.7@645,5360
CAN_INT1: U12.8 U18.41 Z.6@745,5460
CAN_N: D5.1 J.A4 R29.1 TP18.1 U13.6
CAN_P: D5.2 J.A3 R27.2 TP16.1 U13.7
CAN_RX: DS7.2 TP17.1 U12.2 U13.4
CAN_RX_LED: DS7.1 R31.1
CAN_SPLIT: C12.2 R27.1 R28.2 R29.2
CAN_SPLIT_R: R28.1 U13.5
CAN_TX: DS6.2 TP.1@1190,3422.28 U12.1 U13.1
CAN_TX_LED: DS6.1 R30.1
CAN_X1_20MHz: C15.2 U12.6 X1.1
CAN_X2_20MHz: C16.2 U12.5 X1.3
GND: C1.2 C2.2 C3.2 C4.2 C5.2 C6.2 C7.1 C8.2 C9.2 C10.2 C11.2 C12.1 C13.1 C14.1 C15.1 C16.1 C17.2 C18.1 C19.2 C20.2 C21.2 C22.1 C23.1 C24.1 C25.1 C27.2 C28_SHDN_INPUT_PROTECTION1.2 C28_SHDN_INPUT_PROTECTION2.2 C28_SHDN_INPUT_PROTECTION3.2 C28_SHDN_INPUT_PROTECTION4.2 C28_SHDN_INPUT_PROTECTION5.2 C28_SHDN_INPUT_PROTECTION6.2 C28_SHDN_INPUT_PROTECTION7.2 C28_SHDN_INPUT_PROTECTION8.2 C28_SHDN_INPUT_PROTECTION9.2 C28_SHDN_INPUT_PROTECTION10.2 C28_SHDN_INPUT_PROTECTION11.2 C28_SHDN_INPUT_PROTECTION12.2 C28_SHDN_INPUT_PROTECTION13.2 C28_SHDN_INPUT_PROTECTION14.2 C28_SHDN_INPUT_PROTECTION15.2 C28_SHDN_INPUT_PROTECTION16.2 C28_SHDN_INPUT_PROTECTION17.2 C28_SHDN_INPUT_PROTECTION18.2 D1.2 D2.1 D3.2 D4.2 D5.3 D6.1 D7.1 D8.1 D9.1 D10.1 D11.1 D12.1 D13.1 D14.1 D15.1 D16.1 D17.1 D18.1 D19.1 D20.1 D21.1 D22.1 D23.1 D24.1 D25.1 D26.1 D27.1 D33.2 D34.1 D35.1 D36.1 D37.2 D38_SHDN_SEG1.1 D38_SHDN_SEG2.1 D38_SHDN_SEG3.1 D38_SHDN_SEG4.1 D38_SHDN_SEG5.1 D39_SHDN_INPUT_PROTECTION1.1 D39_SHDN_INPUT_PROTECTION2.1 D39_SHDN_INPUT_PROTECTION3.1 D39_SHDN_INPUT_PROTECTION4.1 D39_SHDN_INPUT_PROTECTION5.1 D39_SHDN_INPUT_PROTECTION6.1 D39_SHDN_INPUT_PROTECTION7.1 D39_SHDN_INPUT_PROTECTION8.1 D39_SHDN_INPUT_PROTECTION9.1 D39_SHDN_INPUT_PROTECTION10.1 D39_SHDN_INPUT_PROTECTION11.1 D39_SHDN_INPUT_PROTECTION12.1 D39_SHDN_INPUT_PROTECTION13.1 D39_SHDN_INPUT_PROTECTION14.1 D39_SHDN_INPUT_PROTECTION15.1 D39_SHDN_INPUT_PROTECTION16.1 D39_SHDN_INPUT_PROTECTION17.1 D39_SHDN_INPUT_PROTECTION18.1 DS5.2 DS8.2 DS9.2 DS10.2 DS11_SHDN_SEG1.2 DS11_SHDN_SEG2.2 DS11_SHDN_SEG3.2 DS11_SHDN_SEG4.2 DS11_SHDN_SEG5.2 J1_SHDN_SEG1.12 J1_SHDN_SEG2.12 J1_SHDN_SEG3.12 J1_SHDN_SEG4.12 J1_SHDN_SEG5.12 J.A2 P1.1 P2.6 Q2_SHDN_SEG1.2 Q2_SHDN_SEG2.2 Q2_SHDN_SEG3.2 Q2_SHDN_SEG4.2 Q2_SHDN_SEG5.2 Q4.2 R1.1 R3.1 R7.1 R9.1 R11.1 R15.1 R17.1 R19.1 R26.1 R54.1 R62.1 R64.1 R67_SHDN_INPUT_PROTECTION1.1 R67_SHDN_INPUT_PROTECTION2.1 R67_SHDN_INPUT_PROTECTION3.1 R67_SHDN_INPUT_PROTECTION4.1 R67_SHDN_INPUT_PROTECTION5.1 R67_SHDN_INPUT_PROTECTION6.1 R67_SHDN_INPUT_PROTECTION7.1 R67_SHDN_INPUT_PROTECTION8.1 R67_SHDN_INPUT_PROTECTION9.1 R67_SHDN_INPUT_PROTECTION10.1 R67_SHDN_INPUT_PROTECTION11.1 R67_SHDN_INPUT_PROTECTION12.1 R67_SHDN_INPUT_PROTECTION13.1 R67_SHDN_INPUT_PROTECTION14.1 R67_SHDN_INPUT_PROTECTION15.1 R67_SHDN_INPUT_PROTECTION16.1 R67_SHDN_INPUT_PROTECTION17.1 R67_SHDN_INPUT_PROTECTION18.1 SW1.3 SW1.4 SW2.1 U1.4 U2.2 U3.3 U4.3 U5.2 U6.4 U7.3 U8.3 U9.4 U9.5 U10.3 U11.4 U12.7 U13.2 U13.8 U14.4 U15.12 U15.15 U16.8 U16.13 U17.12 U17.15 U18.6 U18.18 U18.28 U18.39 U19.4 U20.3 U21.3 VR1.3 VR2.3 VR3.3 VR4.3 VR5.3 VR6.3 VR7.3 X1.2 X1.4 X2.2 X2.4 Z.10 | length 3459.2